# Altium PCB Main_Board.PcbDoc (part 6 of 19) (continued)
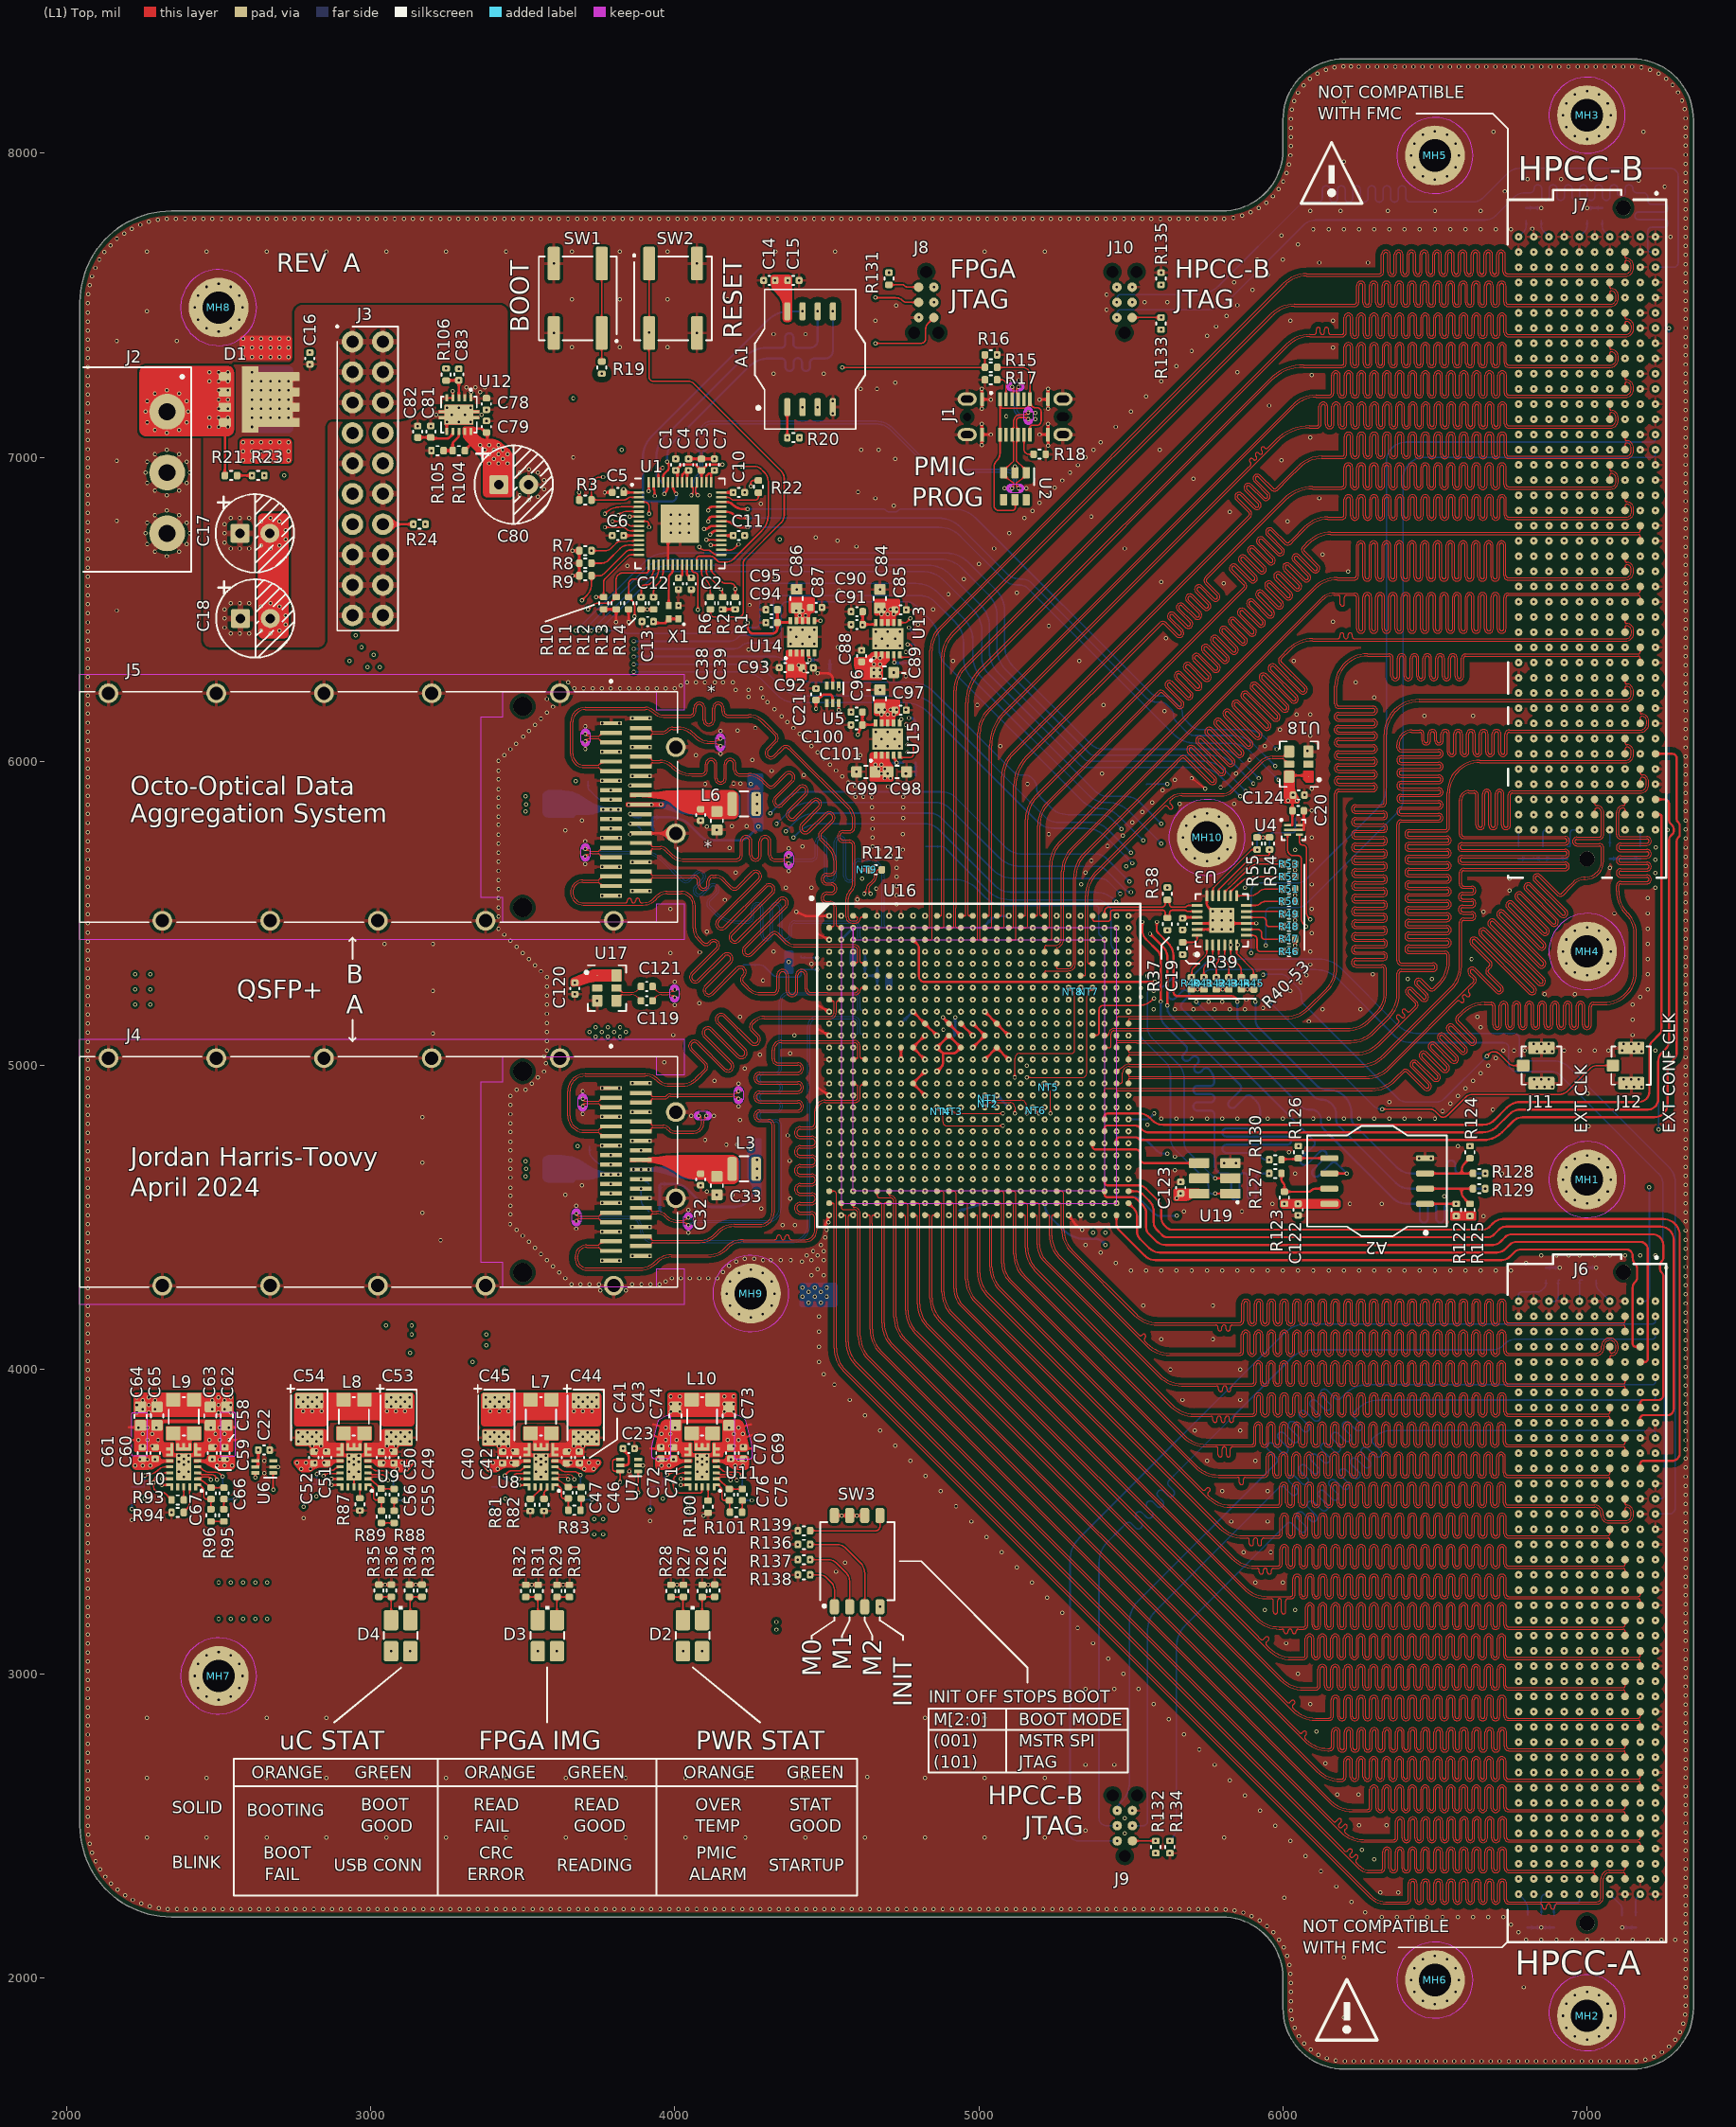
[diagram p0: (L1) Top view]
## Nets (pads, with @x,y where several pads share a name; then routed paths per layer and width w, separated by ;. In a path a pad name is that pad's centre, name@x,y a point inside that pad or via, vN(x,y) a via of type N, cw(c..) or ccw(c..) an arc to the next point about the centre after c; other vN are vias at no path point) (continued)
HPCC_A_15_P: J6.C38 U16.AD1 | length 5057.4
  (L1) Top w3.5: U16.AD1@4507.87,4586.61 4522.97,4586.61 cw(c4522.97,4578.24) 4531.35,4578.24 4531.35,4481.45 4531.55,4481.25 4531.55,4069.87 ccw(c4631.55,4069.87) 4560.84,3999.16 6290.71,2269.29 ccw(c6337.28,2315.86) 6337.28,2250 6350.78,2250 6394.13,2250 6400.07,2250 6405.59,2250 ccw(c6405.59,2256.75) 6412.34,2256.75 6412.34,2310.15 cw(c6426.64,2310.15) 6440.94,2310.15 6440.94,2256.41 ccw(c6447.69,2256.41) 6454.44,2256.41 6454.44,2310.15 cw(c6468.74,2310.15) 6483.04,2310.15 6483.04,2256.41 ccw(c6489.79,2256.41) 6496.54,2256.41 6496.54,2310.15 cw(c6510.84,2310.15) 6525.14,2310.15 6525.14,2256.41 ccw(c6531.89,2256.41) 6538.64,2256.41 6538.64,2310.15 cw(c6552.94,2310.15) 6567.24,2310.15 6567.24,2256.41 ccw(c6573.99,2256.41) 6580.74,2256.41 6580.74,2310.15 cw(c6595.04,2310.15) 6609.34,2310.15 6609.34,2256.41 ccw(c6616.09,2256.41) 6622.84,2256.41 6622.84,2310.15 cw(c6637.14,2310.15) 6651.44,2310.15 6651.44,2256.41 ccw(c6658.19,2256.41) 6664.94,2256.41 6664.94,2310.15 cw(c6679.24,2310.15) 6693.54,2310.15 6693.54,2256.41 ccw(c6700.29,2256.41) 6707.04,2256.41 6707.04,2310.15 cw(c6721.34,2310.15) 6735.64,2310.15 6735.64,2256.75 ccw(c6742.39,2256.75) 6742.39,2250 6789.22,2250 7032,2250 ccw(c7032,2264) 7046,2264 7046,2325.55 cw(c7074,2325.55) 7074,2353.55 7120,2353.55 ccw(c7120,2358.55) 7125,2358.55 J6.C38@7125,2375
HPCC_A_16_N: J6.D5 U16.AF20 | length 5123.7
  (L1) Top w3.5: U16.AF20@5255.91,4507.87 5243.4,4507.87 ccw(c5243.4,4504.37) 5240.92,4506.85 ccw(c5243.4,4504.37) 5239.9,4504.37 5239.9,4441.53 ccw(c5339.9,4441.53) 5269.18,4370.82 5517.07,4122.93 5526.68,4113.32 ccw(c5531.45,4118.09) 5536.23,4113.32 5537.56,4114.66 cw(c5542.34,4109.88) 5547.11,4114.66 cw(c5542.34,4109.88) 5547.11,4105.11 5545.77,4103.77 ccw(c5550.55,4099) 5545.77,4094.23 5556.56,4083.44 5556.71,4083.29 ccw(c5627.42,4154) 5562.2,4078.2 ccw(c5627.42,4154) 5627.42,4054 5813,4054 5856.64,4054 ccw(c5856.64,4060.75) 5863.39,4060.75 5863.39,4114.97 cw(c5877.69,4114.97) 5891.99,4114.97 5891.99,4058.53 ccw(c5898.74,4058.53) 5905.49,4058.53 5905.49,4114.97 cw(c5919.79,4114.97) 5934.09,4114.97 5934.09,4058.53 ccw(c5940.84,4058.53) 5947.59,4058.53 5947.59,4114.97 cw(c5961.89,4114.97) 5976.19,4114.97 5976.19,4058.53 ccw(c5982.94,4058.53) 5989.69,4058.53 5989.69,4114.97 cw(c6003.99,4114.97) 6018.29,4114.97 6018.29,4058.53 ccw(c6025.04,4058.53) 6031.79,4058.53 6031.79,4114.97 cw(c6046.09,4114.97) 6060.39,4114.97 6060.39,4058.53 ccw(c6067.14,4058.53) 6073.89,4058.53 6073.89,4114.97 cw(c6088.19,4114.97) 6102.49,4114.97 6102.49,4058.53 ccw(c6109.24,4058.53) 6115.99,4058.53 6115.99,4114.97 cw(c6130.29,4114.97) 6144.59,4114.97 6144.59,4058.53 ccw(c6151.34,4058.53) 6158.09,4058.53 6158.09,4114.97 cw(c6172.39,4114.97) 6186.69,4114.97 6186.69,4058.53 ccw(c6193.44,4058.53) 6200.19,4058.53 6200.19,4114.97 cw(c6214.49,4114.97) 6228.79,4114.97 6228.79,4058.53 ccw(c6235.54,4058.53) 6242.29,4058.53 6242.29,4114.97 cw(c6256.59,4114.97) 6270.89,4114.97 6270.89,4058.53 ccw(c6277.64,4058.53) 6284.39,4058.53 6284.39,4114.97 cw(c6298.69,4114.97) 6312.99,4114.97 6312.99,4058.53 ccw(c6319.74,4058.53) 6326.49,4058.53 6326.49,4114.97 cw(c6340.79,4114.97) 6355.09,4114.97 6355.09,4058.53 ccw(c6361.84,4058.53) 6368.59,4058.53 6368.59,4114.97 cw(c6382.89,4114.97) 6397.19,4114.97 6397.19,4058.53 ccw(c6403.94,4058.53) 6410.69,4058.53 6410.69,4114.97 cw(c6424.99,4114.97) 6439.29,4114.97 6439.29,4058.53 ccw(c6446.04,4058.53) 6452.79,4058.53 6452.79,4114.97 cw(c6467.09,4114.97) 6481.39,4114.97 6481.39,4058.53 ccw(c6488.14,4058.53) 6494.89,4058.53 6494.89,4114.97 cw(c6509.19,4114.97) 6523.49,4114.97 6523.49,4058.53 ccw(c6530.24,4058.53) 6536.99,4058.53 6536.99,4114.97 cw(c6551.29,4114.97) 6565.59,4114.97 6565.59,4058.53 ccw(c6572.34,4058.53) 6579.09,4058.53 6579.09,4114.97 cw(c6593.39,4114.97) 6607.69,4114.97 6607.69,4058.53 ccw(c6614.44,4058.53) 6621.19,4058.53 6621.19,4114.97 cw(c6635.49,4114.97) 6649.79,4114.97 6649.79,4058.53 ccw(c6656.54,4058.53) 6663.29,4058.53 6663.29,4114.97 cw(c6677.59,4114.97) 6691.89,4114.97 6691.89,4058.53 ccw(c6698.64,4058.53) 6705.39,4058.53 6705.39,4114.97 cw(c6719.69,4114.97) 6733.99,4114.97 6733.99,4060.75 ccw(c6740.74,4060.75) 6740.74,4054 6809.41,4054 7031,4054 ccw(c7031,4070.81) 7047.81,4070.81 7047.81,4077.15 cw(c7074.41,4077.15) 7074.78,4103.75 cw(c7075.3,4076.5) 7102.55,4076.51 7102.55,4076.44 7102.55,4069 cw(c7080,4069) 7080,4046.45 ccw(c7080,4041.45) 7075,4041.45 J6.D5@7075,4025
HPCC_A_16_P: J6.D4 U16.AF19 | length 5092.3
  (L1) Top w3.5: U16.AF19@5216.54,4507.87 5229.05,4507.87 cw(c5229.05,4504.37) 5231.52,4506.85 cw(c5229.05,4504.37) 5232.55,4504.37 5232.55,4481.45 5232.35,4481.25 5232.35,4441.53 ccw(c5339.9,4441.53) 5263.85,4365.48 5551.37,4077.95 ccw(c5627.42,4154) 5627.42,4046.45 5813,4046.45 5856.64,4046.45 ccw(c5856.64,4060.75) 5870.94,4060.75 5870.94,4114.97 cw(c5877.69,4114.97) 5884.44,4114.97 5884.44,4058.53 ccw(c5898.74,4058.53) 5913.04,4058.53 5913.04,4114.97 cw(c5919.79,4114.97) 5926.54,4114.97 5926.54,4058.53 ccw(c5940.84,4058.53) 5955.14,4058.53 5955.14,4114.97 cw(c5961.89,4114.97) 5968.64,4114.97 5968.64,4058.53 ccw(c5982.94,4058.53) 5997.24,4058.53 5997.24,4114.97 cw(c6003.99,4114.97) 6010.74,4114.97 6010.74,4058.53 ccw(c6025.04,4058.53) 6039.34,4058.53 6039.34,4114.97 cw(c6046.09,4114.97) 6052.84,4114.97 6052.84,4058.53 ccw(c6067.14,4058.53) 6081.44,4058.53 6081.44,4114.97 cw(c6088.19,4114.97) 6094.94,4114.97 6094.94,4058.53 ccw(c6109.24,4058.53) 6123.54,4058.53 6123.54,4114.97 cw(c6130.29,4114.97) 6137.04,4114.97 6137.04,4058.53 ccw(c6151.34,4058.53) 6165.64,4058.53 6165.64,4114.97 cw(c6172.39,4114.97) 6179.14,4114.97 6179.14,4058.53 ccw(c6193.44,4058.53) 6207.74,4058.53 6207.74,4114.97 cw(c6214.49,4114.97) 6221.24,4114.97 6221.24,4058.53 ccw(c6235.54,4058.53) 6249.84,4058.53 6249.84,4114.97 cw(c6256.59,4114.97) 6263.34,4114.97 6263.34,4058.53 ccw(c6277.64,4058.53) 6291.94,4058.53 6291.94,4114.97 cw(c6298.69,4114.97) 6305.44,4114.97 6305.44,4058.53 ccw(c6319.74,4058.53) 6334.04,4058.53 6334.04,4114.97 cw(c6340.79,4114.97) 6347.54,4114.97 6347.54,4058.53 ccw(c6361.84,4058.53) 6376.14,4058.53 6376.14,4114.97 cw(c6382.89,4114.97) 6389.64,4114.97 6389.64,4058.53 ccw(c6403.94,4058.53) 6418.24,4058.53 6418.24,4114.97 cw(c6424.99,4114.97) 6431.74,4114.97 6431.74,4058.53 ccw(c6446.04,4058.53) 6460.34,4058.53 6460.34,4114.97 cw(c6467.09,4114.97) 6473.84,4114.97 6473.84,4058.53 ccw(c6488.14,4058.53) 6502.44,4058.53 6502.44,4114.97 cw(c6509.19,4114.97) 6515.94,4114.97 6515.94,4058.53 ccw(c6530.24,4058.53) 6544.54,4058.53 6544.54,4114.97 cw(c6551.29,4114.97) 6558.04,4114.97 6558.04,4058.53 ccw(c6572.34,4058.53) 6586.64,4058.53 6586.64,4114.97 cw(c6593.39,4114.97) 6600.14,4114.97 6600.14,4058.53 ccw(c6614.44,4058.53) 6628.74,4058.53 6628.74,4114.97 cw(c6635.49,4114.97) 6642.24,4114.97 6642.24,4058.53 ccw(c6656.54,4058.53) 6670.84,4058.53 6670.84,4114.97 cw(c6677.59,4114.97) 6684.34,4114.97 6684.34,4058.53 ccw(c6698.64,4058.53) 6712.94,4058.53 6712.94,4114.97 cw(c6719.69,4114.97) 6726.44,4114.97 6726.44,4060.75 ccw(c6740.74,4060.75) 6740.74,4046.45 6809.41,4046.45 7031,4046.45 ccw(c7031,4070.81) 7055.36,4070.81 7055.36,4077.17 cw(c7074.4,4077.16) 7055.36,4077.23 cw(c7074.4,4077.16) 7074.73,4096.2 cw(c7075.3,4076.5) 7095,4076.5 ; J6.D4@7075,4075 7075,4059 ccw(c7080,4059) 7080,4054 ccw(c7080,4069) 7095,4069 7095,4076.46
HPCC_A_17_N: J6.D9 U16.AF17 | length 4859.9
  (L1) Top w3.5: U16.AF17@5137.8,4507.87 5149.13,4507.87 cw(c5149.13,4504) 5153,4504 5153,4400.87 ccw(c5260.55,4400.87) 5184.5,4324.82 5631.41,3877.91 ccw(c5707.46,3953.96) 5707.46,3846.41 5747.92,3846.41 5763.17,3846.41 cw(c5763.17,3839.66) 5769.92,3839.66 5769.92,3833.18 ccw(c5776.67,3833.18) 5783.42,3833.18 5783.42,3839.86 cw(c5790.17,3839.86) 5796.92,3839.86 5796.92,3833.18 ccw(c5803.67,3833.18) 5810.42,3833.18 5810.42,3839.86 cw(c5817.17,3839.86) 5823.92,3839.86 5823.92,3833.18 ccw(c5830.67,3833.18) 5837.42,3833.18 5837.42,3839.66 cw(c5844.17,3839.66) 5844.17,3846.41 5853,3846.41 5880.99,3846.41 5899.22,3846.41 ccw(c5899.22,3860.71) 5913.52,3860.71 5913.52,3908.92 cw(c5920.27,3908.92) 5927.02,3908.92 5927.02,3859.22 ccw(c5941.32,3859.22) 5955.62,3859.22 5955.62,3908.92 cw(c5962.37,3908.92) 5969.12,3908.92 5969.12,3859.22 ccw(c5983.42,3859.22) 5997.72,3859.22 5997.72,3908.92 cw(c6004.47,3908.92) 6011.22,3908.92 6011.22,3859.22 ccw(c6025.52,3859.22) 6039.82,3859.22 6039.82,3908.92 cw(c6046.57,3908.92) 6053.32,3908.92 6053.32,3859.22 ccw(c6067.62,3859.22) 6081.92,3859.22 6081.92,3908.92 cw(c6088.67,3908.92) 6095.42,3908.92 6095.42,3859.22 ccw(c6109.72,3859.22) 6124.02,3859.22 6124.02,3908.92 cw(c6130.77,3908.92) 6137.52,3908.92 6137.52,3859.22 ccw(c6151.82,3859.22) 6166.12,3859.22 6166.12,3908.92 cw(c6172.87,3908.92) 6179.62,3908.92 6179.62,3859.22 ccw(c6193.92,3859.22) 6208.22,3859.22 6208.22,3908.92 cw(c6214.97,3908.92) 6221.72,3908.92 6221.72,3859.22 ccw(c6236.02,3859.22) 6250.32,3859.22 6250.32,3908.92 cw(c6257.07,3908.92) 6263.82,3908.92 6263.82,3859.22 ccw(c6278.12,3859.22) 6292.42,3859.22 6292.42,3908.92 cw(c6299.17,3908.92) 6305.92,3908.92 6305.92,3859.22 ccw(c6320.22,3859.22) 6334.52,3859.22 6334.52,3908.92 cw(c6341.27,3908.92) 6348.02,3908.92 6348.02,3859.22 ccw(c6362.32,3859.22) 6376.62,3859.22 6376.62,3908.92 cw(c6383.37,3908.92) 6390.12,3908.92 6390.12,3859.22 ccw(c6404.42,3859.22) 6418.72,3859.22 6418.72,3908.92 cw(c6425.47,3908.92) 6432.22,3908.92 6432.22,3859.22 ccw(c6446.52,3859.22) 6460.82,3859.22 6460.82,3908.92 cw(c6467.57,3908.92) 6474.32,3908.92 6474.32,3859.22 ccw(c6488.62,3859.22) 6502.92,3859.22 6502.92,3908.92 cw(c6509.67,3908.92) 6516.42,3908.92 6516.42,3859.22 ccw(c6530.72,3859.22) 6545.02,3859.22 6545.02,3908.92 cw(c6551.77,3908.92) 6558.52,3908.92 6558.52,3859.22 ccw(c6572.82,3859.22) 6587.12,3859.22 6587.12,3908.92 cw(c6593.87,3908.92) 6600.62,3908.92 6600.62,3859.22 ccw(c6614.92,3859.22) 6629.22,3859.22 6629.22,3908.92 cw(c6635.97,3908.92) 6642.72,3908.92 6642.72,3859.22 ccw(c6657.02,3859.22) 6671.32,3859.22 6671.32,3908.92 cw(c6678.07,3908.92) 6684.82,3908.92 6684.82,3859.22 ccw(c6699.12,3859.22) 6713.42,3859.22 6713.42,3908.92 cw(c6720.17,3908.92) 6726.92,3908.92 6726.92,3860.71 ccw(c6741.22,3860.71) 6741.22,3846.41 6809.9,3846.41 7070,3846.41 cw(c7070,3841.41) 7075,3841.41 J6.D9@7075,3825
HPCC_A_17_P: J6.D8 U16.AE17 | length 4806.9
  (L1) Top w3.5: U16.AE17@5137.8,4547.24 5152.51,4547.24 cw(c5152.51,4539.41) 5160.35,4539.41 5160.35,4481.45 5160.55,4481.25 5160.55,4400.87 ccw(c5260.55,4400.87) 5189.84,4330.16 5636.75,3883.25 ccw(c5707.46,3953.96) 5707.46,3853.96 5880.99,3853.96 5899.22,3853.96 ccw(c5899.22,3860.71) 5905.97,3860.71 5905.97,3908.92 cw(c5920.27,3908.92) 5934.57,3908.92 5934.57,3859.22 ccw(c5941.32,3859.22) 5948.07,3859.22 5948.07,3908.92 cw(c5962.37,3908.92) 5976.67,3908.92 5976.67,3859.22 ccw(c5983.42,3859.22) 5990.17,3859.22 5990.17,3908.92 cw(c6004.47,3908.92) 6018.77,3908.92 6018.77,3859.22 ccw(c6025.52,3859.22) 6032.27,3859.22 6032.27,3908.92 cw(c6046.57,3908.92) 6060.87,3908.92 6060.87,3859.22 ccw(c6067.62,3859.22) 6074.37,3859.22 6074.37,3908.92 cw(c6088.67,3908.92) 6102.97,3908.92 6102.97,3859.22 ccw(c6109.72,3859.22) 6116.47,3859.22 6116.47,3908.92 cw(c6130.77,3908.92) 6145.07,3908.92 6145.07,3859.22 ccw(c6151.82,3859.22) 6158.57,3859.22 6158.57,3908.92 cw(c6172.87,3908.92) 6187.17,3908.92 6187.17,3859.22 ccw(c6193.92,3859.22) 6200.67,3859.22 6200.67,3908.92 cw(c6214.97,3908.92) 6229.27,3908.92 6229.27,3859.22 ccw(c6236.02,3859.22) 6242.77,3859.22 6242.77,3908.92 cw(c6257.07,3908.92) 6271.37,3908.92 6271.37,3859.22 ccw(c6278.12,3859.22) 6284.87,3859.22 6284.87,3908.92 cw(c6299.17,3908.92) 6313.47,3908.92 6313.47,3859.22 ccw(c6320.22,3859.22) 6326.97,3859.22 6326.97,3908.92 cw(c6341.27,3908.92) 6355.57,3908.92 6355.57,3859.22 ccw(c6362.32,3859.22) 6369.07,3859.22 6369.07,3908.92 cw(c6383.37,3908.92) 6397.67,3908.92 6397.67,3859.22 ccw(c6404.42,3859.22) 6411.17,3859.22 6411.17,3908.92 cw(c6425.47,3908.92) 6439.77,3908.92 6439.77,3859.22 ccw(c6446.52,3859.22) 6453.27,3859.22 6453.27,3908.92 cw(c6467.57,3908.92) 6481.87,3908.92 6481.87,3859.22 ccw(c6488.62,3859.22) 6495.37,3859.22 6495.37,3908.92 cw(c6509.67,3908.92) 6523.97,3908.92 6523.97,3859.22 ccw(c6530.72,3859.22) 6537.47,3859.22 6537.47,3908.92 cw(c6551.77,3908.92) 6566.07,3908.92 6566.07,3859.22 ccw(c6572.82,3859.22) 6579.57,3859.22 6579.57,3908.92 cw(c6593.87,3908.92) 6608.17,3908.92 6608.17,3859.22 ccw(c6614.92,3859.22) 6621.67,3859.22 6621.67,3908.92 cw(c6635.97,3908.92) 6650.27,3908.92 6650.27,3859.22 ccw(c6657.02,3859.22) 6663.77,3859.22 6663.77,3908.92 cw(c6678.07,3908.92) 6692.37,3908.92 6692.37,3859.22 ccw(c6699.12,3859.22) 6705.87,3859.22 6705.87,3908.92 cw(c6720.17,3908.92) 6734.47,3908.92 6734.47,3860.71 ccw(c6741.22,3860.71) 6741.22,3853.96 6809.9,3853.96 7070,3853.96 ccw(c7070,3858.96) 7075,3858.96 J6.D8@7075,3875
HPCC_A_18_N: J6.D13 U16.AE15 | length 5131.3
  (L1) Top w3.5: U16.AE15@5059.06,4547.24 5069.92,4547.24 cw(c5069.92,4542.16) 5075,4542.16 5075,4348.87 ccw(c5158.41,4348.87) 5099.43,4289.89 5711.83,3677.5 ccw(c5787.88,3753.55) 5787.88,3646 5835,3646 5850.25,3646 cw(c5850.25,3639.25) 5857,3639.25 5857,3628.34 ccw(c5863.75,3628.34) 5870.5,3628.34 5870.5,3639.25 cw(c5877.25,3639.25) 5877.25,3646 5900,3646 5908,3646 5938.63,3646 ccw(c5938.63,3660.3) 5952.93,3660.3 5952.93,3713.31 cw(c5959.68,3713.31) 5966.43,3713.31 5966.43,3657.85 ccw(c5980.73,3657.85) 5995.03,3657.85 5995.03,3713.31 cw(c6001.78,3713.31) 6008.53,3713.31 6008.53,3657.85 ccw(c6022.83,3657.85) 6037.13,3657.85 6037.13,3713.31 cw(c6043.88,3713.31) 6050.63,3713.31 6050.63,3657.85 ccw(c6064.93,3657.85) 6079.23,3657.85 6079.23,3713.31 cw(c6085.98,3713.31) 6092.73,3713.31 6092.73,3657.85 ccw(c6107.03,3657.85) 6121.33,3657.85 6121.33,3713.31 cw(c6128.08,3713.31) 6134.83,3713.31 6134.83,3657.85 ccw(c6149.13,3657.85) 6163.43,3657.85 6163.43,3713.31 cw(c6170.18,3713.31) 6176.93,3713.31 6176.93,3657.85 ccw(c6191.23,3657.85) 6205.53,3657.85 6205.53,3713.31 cw(c6212.28,3713.31) 6219.03,3713.31 6219.03,3657.85 ccw(c6233.33,3657.85) 6247.63,3657.85 6247.63,3713.31 cw(c6254.38,3713.31) 6261.13,3713.31 6261.13,3657.85 ccw(c6275.43,3657.85) 6289.73,3657.85 6289.73,3713.31 cw(c6296.48,3713.31) 6303.23,3713.31 6303.23,3657.85 ccw(c6317.53,3657.85) 6331.83,3657.85 6331.83,3713.31 cw(c6338.58,3713.31) 6345.33,3713.31 6345.33,3657.85 ccw(c6359.63,3657.85) 6373.93,3657.85 6373.93,3713.31 cw(c6380.68,3713.31) 6387.43,3713.31 6387.43,3657.85 ccw(c6401.73,3657.85) 6416.03,3657.85 6416.03,3713.31 cw(c6422.78,3713.31) 6429.53,3713.31 6429.53,3657.85 ccw(c6443.83,3657.85) 6458.13,3657.85 6458.13,3713.31 cw(c6464.88,3713.31) 6471.63,3713.31 6471.63,3657.85 ccw(c6485.93,3657.85) 6500.23,3657.85 6500.23,3713.31 cw(c6506.98,3713.31) 6513.73,3713.31 6513.73,3657.85 ccw(c6528.03,3657.85) 6542.33,3657.85 6542.33,3713.31 cw(c6549.08,3713.31) 6555.83,3713.31 6555.83,3657.85 ccw(c6570.13,3657.85) 6584.43,3657.85 6584.43,3713.31 cw(c6591.18,3713.31) 6597.93,3713.31 6597.93,3657.85 ccw(c6612.23,3657.85) 6626.53,3657.85 6626.53,3713.31 cw(c6633.28,3713.31) 6640.03,3713.31 6640.03,3657.85 ccw(c6654.33,3657.85) 6668.63,3657.85 6668.63,3713.31 cw(c6675.38,3713.31) 6682.13,3713.31 6682.13,3657.85 ccw(c6696.43,3657.85) 6710.73,3657.85 6710.73,3713.31 cw(c6717.48,3713.31) 6724.23,3713.31 6724.23,3660.3 ccw(c6738.53,3660.3) 6738.53,3646 6807.21,3646 6929.22,3646 6929.45,3646.22 7071.5,3646.22 cw(c7071.5,3642.73) 7073.97,3645.2 cw(c7071.5,3642.72) 7075,3642.72 J6.D13@7075,3625
HPCC_A_18_P: J6.D12 U16.AD15 | length 5127.9
  (L1) Top w3.5: U16.AD15@5059.06,4586.61 5074.72,4586.61 cw(c5074.72,4578.98) 5082.35,4578.98 5082.35,4481.45 5082.55,4481.25 5082.55,4348.87 ccw(c5158.41,4348.87) 5104.77,4295.23 5717.16,3682.84 ccw(c5787.88,3753.55) 5787.88,3653.55 5908,3653.55 5938.63,3653.55 ccw(c5938.63,3660.3) 5945.38,3660.3 5945.38,3713.31 cw(c5959.68,3713.31) 5973.98,3713.31 5973.98,3657.85 ccw(c5980.73,3657.85) 5987.48,3657.85 5987.48,3713.31 cw(c6001.78,3713.31) 6016.08,3713.31 6016.08,3657.85 ccw(c6022.83,3657.85) 6029.58,3657.85 6029.58,3713.31 cw(c6043.88,3713.31) 6058.18,3713.31 6058.18,3657.85 ccw(c6064.93,3657.85) 6071.68,3657.85 6071.68,3713.31 cw(c6085.98,3713.31) 6100.28,3713.31 6100.28,3657.85 ccw(c6107.03,3657.85) 6113.78,3657.85 6113.78,3713.31 cw(c6128.08,3713.31) 6142.38,3713.31 6142.38,3657.85 ccw(c6149.13,3657.85) 6155.88,3657.85 6155.88,3713.31 cw(c6170.18,3713.31) 6184.48,3713.31 6184.48,3657.85 ccw(c6191.23,3657.85) 6197.98,3657.85 6197.98,3713.31 cw(c6212.28,3713.31) 6226.58,3713.31 6226.58,3657.85 ccw(c6233.33,3657.85) 6240.08,3657.85 6240.08,3713.31 cw(c6254.38,3713.31) 6268.68,3713.31 6268.68,3657.85 ccw(c6275.43,3657.85) 6282.18,3657.85 6282.18,3713.31 cw(c6296.48,3713.31) 6310.78,3713.31 6310.78,3657.85 ccw(c6317.53,3657.85) 6324.28,3657.85 6324.28,3713.31 cw(c6338.58,3713.31) 6352.88,3713.31 6352.88,3657.85 ccw(c6359.63,3657.85) 6366.38,3657.85 6366.38,3713.31 cw(c6380.68,3713.31) 6394.98,3713.31 6394.98,3657.85 ccw(c6401.73,3657.85) 6408.48,3657.85 6408.48,3713.31 cw(c6422.78,3713.31) 6437.08,3713.31 6437.08,3657.85 ccw(c6443.83,3657.85) 6450.58,3657.85 6450.58,3713.31 cw(c6464.88,3713.31) 6479.18,3713.31 6479.18,3657.85 ccw(c6485.93,3657.85) 6492.68,3657.85 6492.68,3713.31 cw(c6506.98,3713.31) 6521.28,3713.31 6521.28,3657.85 ccw(c6528.03,3657.85) 6534.78,3657.85 6534.78,3713.31 cw(c6549.08,3713.31) 6563.38,3713.31 6563.38,3657.85 ccw(c6570.13,3657.85) 6576.88,3657.85 6576.88,3713.31 cw(c6591.18,3713.31) 6605.48,3713.31 6605.48,3657.85 ccw(c6612.23,3657.85) 6618.98,3657.85 6618.98,3713.31 cw(c6633.28,3713.31) 6647.58,3713.31 6647.58,3657.85 ccw(c6654.33,3657.85) 6661.08,3657.85 6661.08,3713.31 cw(c6675.38,3713.31) 6689.68,3713.31 6689.68,3657.85 ccw(c6696.43,3657.85) 6703.18,3657.85 6703.18,3713.31 cw(c6717.48,3713.31) 6731.78,3713.31 6731.78,3660.3 ccw(c6738.53,3660.3) 6738.53,3653.55 6807.21,3653.55 6926.09,3653.55 6926.32,3653.78 7071.5,3653.78 ccw(c7071.5,3657.27) 7073.97,3654.8 ccw(c7071.5,3657.28) 7075,3657.28 J6.D12@7075,3675
HPCC_A_19_N: J6.D17 U16.AF13 | length 5103.6
  (L1) Top w3.5: U16.AF13@4980.31,4507.87 4991.13,4507.87 cw(c4991.13,4503) 4996,4503 4996,4317.87 ccw(c5103.55,4317.87) 5027.5,4241.82 5791.77,3477.55 ccw(c5867.82,3553.6) 5867.82,3446.05 5883.07,3446.05 cw(c5883.07,3439.3) 5889.82,3439.3 5889.82,3427.54 ccw(c5896.57,3427.54) 5903.32,3427.54 5903.32,3439.5 cw(c5910.07,3439.5) 5916.82,3439.5 5916.82,3427.54 ccw(c5923.57,3427.54) 5930.32,3427.54 5930.32,3439.3 cw(c5937.07,3439.3) 5937.07,3446.05 5955.96,3446.05 5983.63,3446.05 ccw(c5983.63,3460.35) 5997.93,3460.35 5997.93,3512.99 cw(c6004.68,3512.99) 6011.43,3512.99 6011.43,3459.8 ccw(c6025.73,3459.8) 6040.03,3459.8 6040.03,3512.99 cw(c6046.78,3512.99) 6053.53,3512.99 6053.53,3459.8 ccw(c6067.83,3459.8) 6082.13,3459.8 6082.13,3512.99 cw(c6088.88,3512.99) 6095.63,3512.99 6095.63,3459.8 ccw(c6109.93,3459.8) 6124.23,3459.8 6124.23,3512.99 cw(c6130.98,3512.99) 6137.73,3512.99 6137.73,3459.8 ccw(c6152.03,3459.8) 6166.33,3459.8 6166.33,3512.99 cw(c6173.08,3512.99) 6179.83,3512.99 6179.83,3459.8 ccw(c6194.13,3459.8) 6208.43,3459.8 6208.43,3512.99 cw(c6215.18,3512.99) 6221.93,3512.99 6221.93,3459.8 ccw(c6236.23,3459.8) 6250.53,3459.8 6250.53,3512.99 cw(c6257.28,3512.99) 6264.03,3512.99 6264.03,3459.8 ccw(c6278.33,3459.8) 6292.63,3459.8 6292.63,3512.99 cw(c6299.38,3512.99) 6306.13,3512.99 6306.13,3459.8 ccw(c6320.43,3459.8) 6334.73,3459.8 6334.73,3512.99 cw(c6341.48,3512.99) 6348.23,3512.99 6348.23,3459.8 ccw(c6362.53,3459.8) 6376.83,3459.8 6376.83,3512.99 cw(c6383.58,3512.99) 6390.33,3512.99 6390.33,3459.8 ccw(c6404.63,3459.8) 6418.93,3459.8 6418.93,3512.99 cw(c6425.68,3512.99) 6432.43,3512.99 6432.43,3459.8 ccw(c6446.73,3459.8) 6461.03,3459.8 6461.03,3512.99 cw(c6467.78,3512.99) 6474.53,3512.99 6474.53,3459.8 ccw(c6488.83,3459.8) 6503.13,3459.8 6503.13,3512.99 cw(c6509.88,3512.99) 6516.63,3512.99 6516.63,3459.8 ccw(c6530.93,3459.8) 6545.23,3459.8 6545.23,3512.99 cw(c6551.98,3512.99) 6558.73,3512.99 6558.73,3459.8 ccw(c6573.03,3459.8) 6587.33,3459.8 6587.33,3512.99 cw(c6594.08,3512.99) 6600.83,3512.99 6600.83,3459.8 ccw(c6615.13,3459.8) 6629.43,3459.8 6629.43,3512.99 cw(c6636.18,3512.99) 6642.93,3512.99 6642.93,3459.8 ccw(c6657.23,3459.8) 6671.53,3459.8 6671.53,3512.99 cw(c6678.28,3512.99) 6685.03,3512.99 6685.03,3459.8 ccw(c6699.33,3459.8) 6713.63,3459.8 6713.63,3512.99 cw(c6720.38,3512.99) 6727.13,3512.99 6727.13,3460.35 ccw(c6741.43,3460.35) 6741.43,3446.05 6810.1,3446.05 7069.6,3446.05 cw(c7069.6,3440.65) 7075,3440.65 J6.D17@7075,3425
HPCC_A_19_P: J6.D16 U16.AE13 | length 5059.7
  (L1) Top w3.5: U16.AE13@4980.31,4547.24 4996.18,4547.24 cw(c4996.18,4540.07) 5003.35,4540.07 5003.35,4481.45 5003.55,4481.25 5003.55,4317.87 ccw(c5103.55,4317.87) 5032.84,4247.16 5797.11,3482.89 ccw(c5867.82,3553.6) 5867.82,3453.6 5955.96,3453.6 5983.63,3453.6 ccw(c5983.63,3460.35) 5990.38,3460.35 5990.38,3512.99 cw(c6004.68,3512.99) 6018.98,3512.99 6018.98,3459.8 ccw(c6025.73,3459.8) 6032.48,3459.8 6032.48,3512.99 cw(c6046.78,3512.99) 6061.08,3512.99 6061.08,3459.8 ccw(c6067.83,3459.8) 6074.58,3459.8 6074.58,3512.99 cw(c6088.88,3512.99) 6103.18,3512.99 6103.18,3459.8 ccw(c6109.93,3459.8) 6116.68,3459.8 6116.68,3512.99 cw(c6130.98,3512.99) 6145.28,3512.99 6145.28,3459.8 ccw(c6152.03,3459.8) 6158.78,3459.8 6158.78,3512.99 cw(c6173.08,3512.99) 6187.38,3512.99 6187.38,3459.8 ccw(c6194.13,3459.8) 6200.88,3459.8 6200.88,3512.99 cw(c6215.18,3512.99) 6229.48,3512.99 6229.48,3459.8 ccw(c6236.23,3459.8) 6242.98,3459.8 6242.98,3512.99 cw(c6257.28,3512.99) 6271.58,3512.99 6271.58,3459.8 ccw(c6278.33,3459.8) 6285.08,3459.8 6285.08,3512.99 cw(c6299.38,3512.99) 6313.68,3512.99 6313.68,3459.8 ccw(c6320.43,3459.8) 6327.18,3459.8 6327.18,3512.99 cw(c6341.48,3512.99) 6355.78,3512.99 6355.78,3459.8 ccw(c6362.53,3459.8) 6369.28,3459.8 6369.28,3512.99 cw(c6383.58,3512.99) 6397.88,3512.99 6397.88,3459.8 ccw(c6404.63,3459.8) 6411.38,3459.8 6411.38,3512.99 cw(c6425.68,3512.99) 6439.98,3512.99 6439.98,3459.8 ccw(c6446.73,3459.8) 6453.48,3459.8 6453.48,3512.99 cw(c6467.78,3512.99) 6482.08,3512.99 6482.08,3459.8 ccw(c6488.83,3459.8) 6495.58,3459.8 6495.58,3512.99 cw(c6509.88,3512.99) 6524.18,3512.99 6524.18,3459.8 ccw(c6530.93,3459.8) 6537.68,3459.8 6537.68,3512.99 cw(c6551.98,3512.99) 6566.28,3512.99 6566.28,3459.8 ccw(c6573.03,3459.8) 6579.78,3459.8 6579.78,3512.99 cw(c6594.08,3512.99) 6608.38,3512.99 6608.38,3459.8 ccw(c6615.13,3459.8) 6621.88,3459.8 6621.88,3512.99 cw(c6636.18,3512.99) 6650.48,3512.99 6650.48,3459.8 ccw(c6657.23,3459.8) 6663.98,3459.8 6663.98,3512.99 cw(c6678.28,3512.99) 6692.58,3512.99 6692.58,3459.8 ccw(c6699.33,3459.8) 6706.08,3459.8 6706.08,3512.99 cw(c6720.38,3512.99) 6734.68,3512.99 6734.68,3460.35 ccw(c6741.43,3460.35) 6741.43,3453.6 6810.1,3453.6 7069.6,3453.6 ccw(c7069.6,3459) 7075,3459 J6.D16@7075,3475
HPCC_A_20_N: J6.D21 U16.AB10 | length 3807.5
  (L10) Inner 9 w3.5: v1(4862.2,4665.35) 4873.47,4665.35 cw(c4873.47,4660.82) 4878,4660.82 4878,4254.62 ccw(c4986.8,4254.62) 4909.87,4177.69 5810.09,3277.47 ccw(c5887.02,3354.4) 5887.02,3245.6 6437.2,3245.6 6452.46,3245.6 cw(c6452.46,3238.85) 6459.21,3238.85 6459.21,3225.41 ccw(c6465.96,3225.41) 6472.71,3225.41 6472.71,3238.85 cw(c6479.46,3238.85) 6479.46,3245.6 6488.35,3245.6 6491,3245.6 6519.45,3245.6 cw(c6519.45,3238.85) 6526.2,3238.85 6526.2,3183.18 ccw(c6541.75,3183.18) 6557.3,3183.18 6557.3,3239.54 cw(c6564.05,3239.54) 6570.8,3239.54 6570.8,3183.18 ccw(c6586.35,3183.18) 6601.9,3183.18 6601.9,3239.54 cw(c6608.65,3239.54) 6615.4,3239.54 6615.4,3183.18 ccw(c6630.95,3183.18) 6646.5,3183.18 6646.5,3239.54 cw(c6653.25,3239.54) 6660,3239.54 6660,3183.18 ccw(c6675.55,3183.18) 6691.1,3183.18 6691.1,3239.54 cw(c6697.85,3239.54) 6704.6,3239.54 6704.6,3183.18 ccw(c6720.15,3183.18) 6735.7,3183.18 6735.7,3238.85 cw(c6742.45,3238.85) 6742.45,3245.6 6819,3245.6 7071.5,3245.6 cw(c7071.5,3242.1) 7073.97,3244.57 cw(c7071.5,3242.1) 7075,3242.1 v1(7075,3225)
HPCC_A_20_P: J6.D20 U16.AA10 | length 3796.3
  (L10) Inner 9 w3.5: v1(4862.2,4704.72) 4875.67,4704.72 cw(c4875.67,4695.05) 4885.35,4695.05 4885.35,4483.77 ccw(c4887.83,4483.77) 4886.07,4482.02 ; 4886.08,4482.02 cw(c4884.32,4480.27) 4886.8,4480.27 4886.8,4254.62 ccw(c4986.8,4254.62) 4916.09,4183.91 5816.31,3283.69 ccw(c5887.02,3354.4) 5887.02,3254.4 6491,3254.4 6519.45,3254.4 cw(c6519.45,3238.85) 6535,3238.85 6535,3183.18 ccw(c6541.75,3183.18) 6548.5,3183.18 6548.5,3239.54 cw(c6564.05,3239.54) 6579.6,3239.54 6579.6,3183.18 ccw(c6586.35,3183.18) 6593.1,3183.18 6593.1,3239.54 cw(c6608.65,3239.54) 6624.2,3239.54 6624.2,3183.18 ccw(c6630.95,3183.18) 6637.7,3183.18 6637.7,3239.54 cw(c6653.25,3239.54) 6668.8,3239.54 6668.8,3183.18 ccw(c6675.55,3183.18) 6682.3,3183.18 6682.3,3239.54 cw(c6697.85,3239.54) 6713.4,3239.54 6713.4,3183.18 ccw(c6720.15,3183.18) 6726.9,3183.18 6726.9,3238.85 cw(c6742.45,3238.85) 6742.45,3254.4 6819,3254.4 7071.5,3254.4 ccw(c7071.5,3257.9) 7073.97,3255.43 ccw(c7071.5,3257.9) 7075,3257.9 v1(7075,3275)
HPCC_A_21_N: J6.D25 U16.AD8 | length 3900.6
  (L10) Inner 9 w3.5: v1(4783.46,4586.61) 4794.47,4586.61 cw(c4794.47,4581.68) 4799.4,4581.68 4799.4,4213.22 ccw(c4908.2,4213.22) 4831.27,4136.29 5890.09,3077.47 ccw(c5967.02,3154.4) 5967.02,3045.6 6244,3045.6 6275.65,3045.6 cw(c6275.65,3038.85) 6282.4,3038.85 6282.4,3009.53 ccw(c6297.95,3009.53) 6313.5,3009.53 6313.5,3040.22 cw(c6320.25,3040.22) 6327,3040.22 6327,3009.53 ccw(c6342.55,3009.53) 6358.1,3009.53 6358.1,3038.85 cw(c6364.85,3038.85) 6364.85,3045.6 6371,3045.6 6533.48,3045.6 6561.93,3045.6 cw(c6561.93,3038.85) 6568.68,3038.85 6568.68,2983.46 ccw(c6584.23,2983.46) 6599.78,2983.46 6599.78,3039.22 cw(c6606.53,3039.22) 6613.28,3039.22 6613.28,2983.46 ccw(c6628.83,2983.46) 6644.38,2983.46 6644.38,3039.22 cw(c6651.13,3039.22) 6657.88,3039.22 6657.88,2983.46 ccw(c6673.43,2983.46) 6688.98,2983.46 6688.98,3039.22 cw(c6695.73,3039.22) 6702.48,3039.22 6702.48,2983.46 ccw(c6718.03,2983.46) 6733.58,2983.46 6733.58,3038.85 cw(c6740.33,3038.85) 6740.33,3045.6 6810,3045.6 7071.5,3045.6 cw(c7071.5,3042.1) 7073.97,3044.57 cw(c7071.5,3042.1) 7075,3042.1 v1(7075,3025)
HPCC_A_21_P: J6.D24 U16.AC8 | length 3932.1
  (L10) Inner 9 w3.5: v1(4783.46,4625.98) 4797.49,4625.98 cw(c4797.49,4616.73) 4806.75,4616.73 4806.75,4545.32 4806.75,4485 4806.75,4483.77 ccw(c4809.23,4483.77) 4807.48,4482.02 cw(c4805.73,4480.27) 4808.2,4480.27 4808.2,4213.22 ccw(c4908.2,4213.22) 4837.49,4142.51 5896.31,3083.69 ccw(c5967.02,3154.4) 5967.02,3054.4 6244,3054.4 6275.65,3054.4 cw(c6275.65,3038.85) 6291.2,3038.85 6291.2,3009.53 ccw(c6297.95,3009.53) 6304.7,3009.53 6304.7,3040.22 cw(c6320.25,3040.22) 6335.8,3040.22 6335.8,3009.53 ccw(c6342.55,3009.53) 6349.3,3009.53 6349.3,3038.85 cw(c6364.85,3038.85) 6364.85,3054.4 6371,3054.4 6533.48,3054.4 6561.93,3054.4 cw(c6561.93,3038.85) 6577.48,3038.85 6577.48,2983.46 ccw(c6584.23,2983.46) 6590.98,2983.46 6590.98,3039.22 cw(c6606.53,3039.22) 6622.08,3039.22 6622.08,2983.46 ccw(c6628.83,2983.46) 6635.58,2983.46 6635.58,3039.22 cw(c6651.13,3039.22) 6666.68,3039.22 6666.68,2983.46 ccw(c6673.43,2983.46) 6680.18,2983.46 6680.18,3039.22 cw(c6695.73,3039.22) 6711.28,3039.22 6711.28,2983.46 ccw(c6718.03,2983.46) 6724.78,2983.46 6724.78,3038.85 cw(c6740.33,3038.85) 6740.33,3054.4 6810,3054.4 7071.5,3054.4 ccw(c7071.5,3057.9) 7073.97,3055.43 ccw(c7071.5,3057.9) 7075,3057.9 v1(7075,3075)